# Altium PCB AMS_A2_Sample.PcbDoc (part 2 of 2)
Units mm, origin at the board's own origin, x right, y up, seen from the top; angles counter-clockwise.
Board outline 138.94 x 155.83 mm, 6 copper layers (Top Layer (GND), Int1 (Signal), Int2 (GND), Int3 (PWR), Int4 (GND), Bottom Layer (Signal)), stack 1.551 mm thick; 217 components, 151 nets, 764 pads, 566 vias.
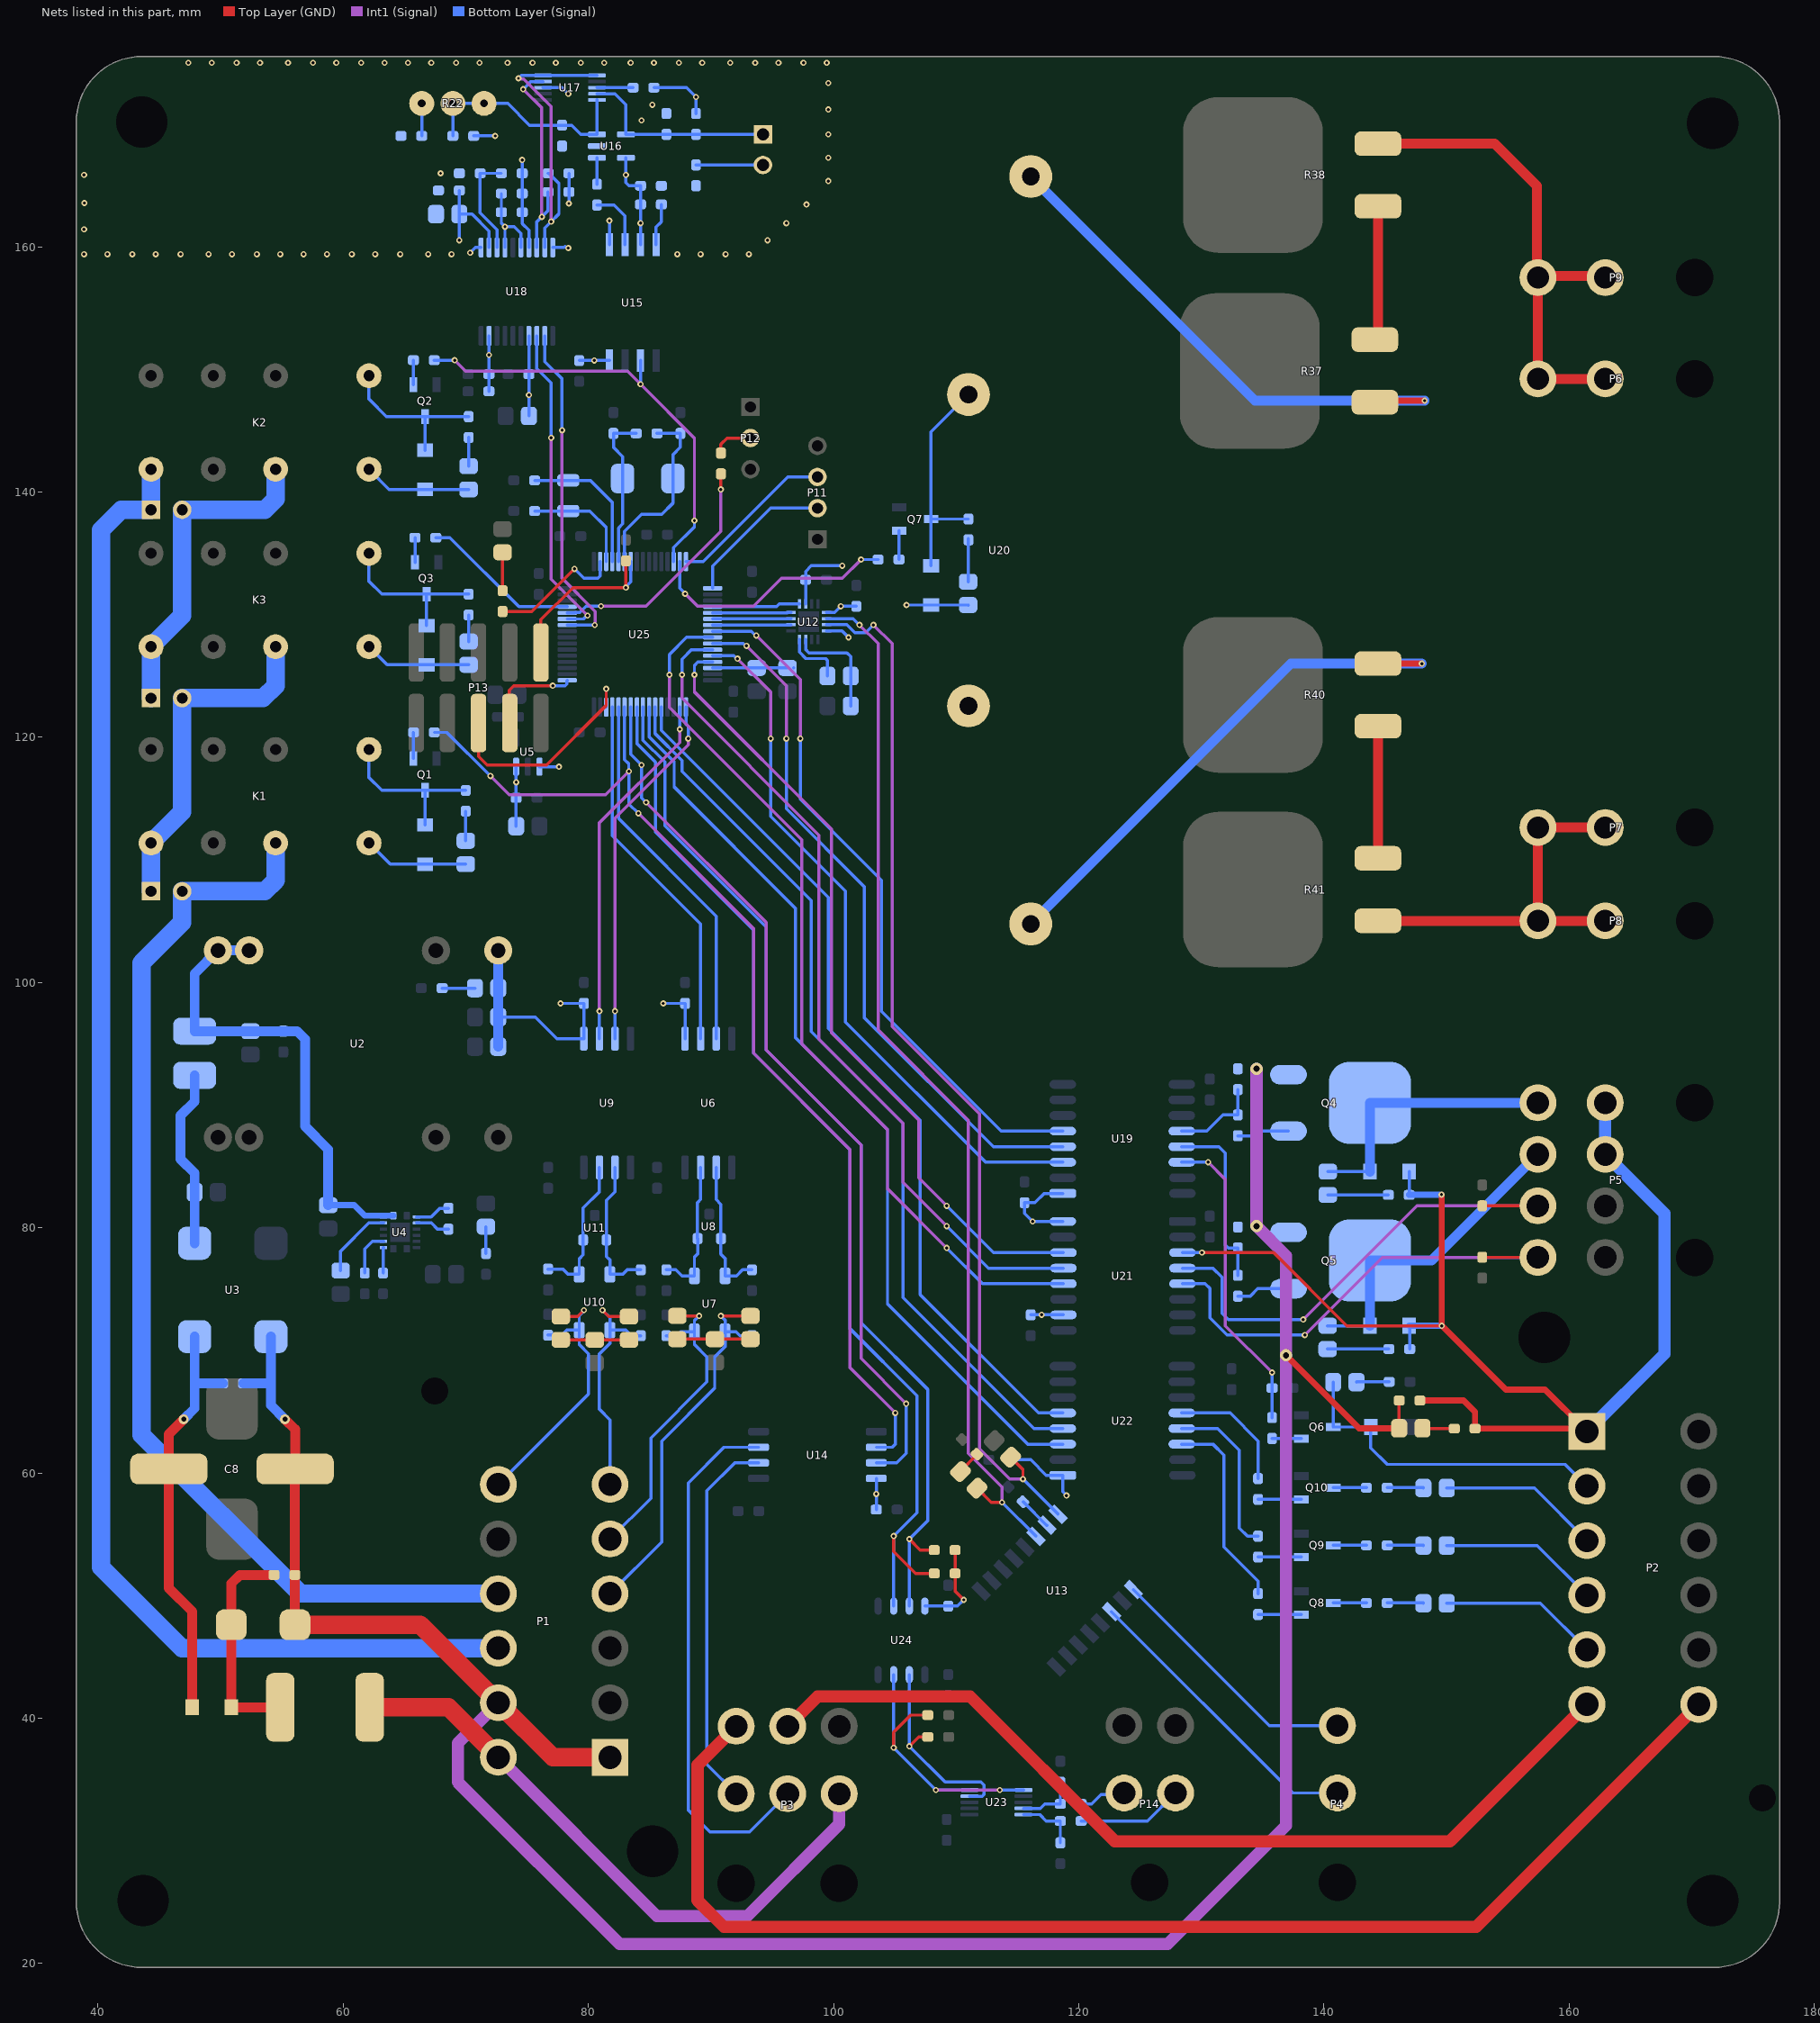
[diagram p6: the nets of this part, all layers, seen from the top]

## Via types
v1: diameter 0.5, hole 0.25, Top Layer (GND) to Bottom Layer (Signal), 552 vias
v2: diameter 0.254, hole 0.127, Top Layer (GND) to Bottom Layer (Signal), tented top, 9 vias
v3: diameter 1, hole 0.5, Top Layer (GND) to Bottom Layer (Signal), 3 vias
v4: diameter 0.8, hole 0.4, Top Layer (GND) to Bottom Layer (Signal), 2 vias

## Nets (pads, with @x,y where several pads share a name; then routed paths per layer and width w, separated by ;. In a path a pad name is that pad's centre, name@x,y a point inside that pad or via, vN(x,y) a via of type N, cw(c..) or ccw(c..) an arc to the next point about the centre after c; other vN are vias at no path point) (continued)
"5V (ISO)": C1.2 C2.2 C12.2 C13.2 C19.2 C26.2 C32.2 C33.2 C37.2 C38.2 C48.2 C49.2 C50.2 C51.2 C54.2 C69.2 C71.2 C73.2 D2.A D5.A D6.K D7.A D8.K D9.A D10.K D17.A D18.K K1.16 K2.16 K3.16 R55.2 R56.2 U2.14 U5.1 U5.3 U6.1 U9.1 U12.6 U12.9 U12.12 U14.8 U15.8 U18.4 U18.9 U19.1 U20.2 U21.10 U21.16 U22.1 U24.8 | length 114
  Top Layer (GND) w0.254: R55.2@109.904,53.721 R56.2@109.904,51.816 109.904,50.37 v1(110.617,49.657)
  Bottom Layer (Signal) w0.254: K1.16@62.103,111.379 63.83,109.652 D6.K@66.675,109.652 66.678,109.655 D5.A@69.995,109.655 ; K3.16@62.103,127.381 63.576,125.908 D10.K@66.802,125.908 D9.A@70.226,125.908 ; K2.16@62.103,141.859 63.754,140.208 D8.K@66.675,140.208 D7.A@70.226,140.208 ; C50.2@71.882,148.209 C51.2@71.882,149.606 71.888,149.612 v1(71.888,151.172) 71.888,152.732 U18.9@71.893,152.737 ; C2.2@72.644,97.181 75.666,97.181 77.427,95.42 U9.1@79.629,95.42 C26.2@79.629,98.298 v1(77.724,98.298) ; C12.2@74.107,112.75 C13.2@74.107,115.062 v1(74.107,116.332) U5.3@74.107,117.602 ; C49.2@75.143,146.203 v1(75.143,147.905) C48.2@75.143,149.606 U18.4@75.143,152.737 ; U5.1@76.007,117.602 v1(77.597,117.602) ; C38.2@79.248,150.723 v1(80.48,150.723) U15.8@81.712,150.723 ; v1(86.106,98.298) C19.2@87.884,98.298 U6.1@87.884,95.42 ; U12.6@97.72,130.875 C32.2@97.72,132.842 97.72,133.534 98.171,133.985 v1(100.711,133.985) ; U12.12@99.42,128.675 100.684,128.675 v1(101.217,128.141) ; U12.9@99.42,130.175 100.076,130.175 v1(100.584,130.683) C33.2@101.854,130.683 ; C37.2@103.479,57.023 v1(103.479,58.293) U14.8@103.479,59.563 ; v1(105.943,130.785) D18.K@107.95,130.785 D17.A@110.972,130.785 D17.A@110.998,130.759 ; U24.8@107.442,49.149 C54.2@109.347,49.149 110.109,49.149 v1(110.617,49.657) ; C73.2@114.349,61.087 116.078,61.087 117.348,59.817 U22.1@118.694,59.817 118.694,58.471 v1(118.999,58.166) ; C71.2@116.078,72.898 U21.10@118.746,72.898 ; U21.16@118.695,80.518 v1(116.237,80.518) 115.57,81.185 C69.2@115.57,82.042 116.423,82.042 117.185,82.804 U19.1@118.694,82.804
  Bottom Layer (Signal) w0.8: C1.2@72.644,94.768 C2.2@72.644,97.181 D2.A@72.644,99.542 U2.14@72.644,102.616
  other v1: 116.967,72.898
AIR+: D12.A D15.K P5.4 Q5.D | length 26.1
  Bottom Layer (Signal) w0.254: D15.K@140.293,72.009 D12.A@143.746,72.009
  Bottom Layer (Signal) w0.8: D12.A@143.746,72.009 Q5.D@143.746,77.329 148.782,77.329 P5.4@157.441,85.988
AIR+_Drive: R32.1 R35.1 U19.13 | length 14.6
  Bottom Layer (Signal) w0.254: U19.13@128.396,86.614 131.445,86.614 131.953,86.106 131.953,78.613 132.207,78.359 R35.1@132.969,78.359 R32.1@132.969,76.122
AIR+_FB: P5.6 R45.2 U21.4 | length 40.8
  Top Layer (GND) w0.254: R45.2@152.908,81.788 P5.6@157.441,81.788
  Int1 (Signal) w0.254: v1(138.303,72.517) 147.574,81.788 P5.6@157.441,81.788
  Bottom Layer (Signal) w0.254: U21.4@128.448,76.708 130.937,76.708 131.699,75.946 131.699,73.025 132.207,72.517 v1(138.303,72.517)
AIR-: D11.A D14.K P5.2 Q4.D | length 22.7
  Bottom Layer (Signal) w0.254: D14.K@140.309,84.582 D11.A@143.746,84.582 ; Q4.D@143.746,90.184 Q4.D@143.75,90.188
  Bottom Layer (Signal) w0.8: D11.A@143.746,84.582 Q4.D@143.746,90.184 ; Q4.D@143.75,90.188 P5.2@157.441,90.188
AIR-_Drive: R31.1 R34.1 U19.12 | length 7.2
  Bottom Layer (Signal) w0.254: U19.12@128.396,87.884 130.429,87.884 131.748,89.203 R31.1@132.969,89.203 R34.1@132.969,91.264
AIR-_FB: P5.8 R46.2 U21.5 | length 39.3
  Top Layer (GND) w0.254: R46.2@152.908,77.597 152.912,77.593 157.436,77.593 P5.8@157.441,77.588
  Int1 (Signal) w0.254: v1(138.43,71.247) 144.771,77.588 P5.8@157.441,77.588
  Bottom Layer (Signal) w0.254: U21.5@128.448,75.438 130.302,75.438 130.683,75.057 130.683,72.644 132.08,71.247 v1(138.43,71.247)
AIR_PWR: D11.K D12.K P2.1 P5.1 P5.3 R28.2 R29.2 R43.2 R44.2 U21.3 | length 105.4
  Top Layer (GND) w0.254: v1(130.048,77.978) 135.89,77.978 141.859,72.009 v1(149.606,72.009) ; P2.1@161.202,63.627 P2.1@161.441,63.388
  Top Layer (GND) w0.5: R44.2@147.828,65.913 151.384,65.913 152.322,64.975 R43.2@152.322,63.627 161.202,63.627 158.027,66.802 154.834,66.802 149.627,72.009 v1(149.606,72.009) 149.606,82.682 v1(149.585,82.703)
  Bottom Layer (Signal) w0.254: U21.3@128.448,77.978 v1(130.048,77.978) ; D12.K@146.946,72.009 146.988,71.967 R29.2@146.988,70.109 ; R28.2@146.946,82.682 146.946,82.703 D11.K@146.946,84.582
  Bottom Layer (Signal) w0.5: R28.2@146.925,82.703 146.946,82.703 v1(149.585,82.703) ; D12.K@146.946,72.009 v1(149.606,72.009)
  Bottom Layer (Signal) w1: P2.1@161.441,63.388 167.767,69.714 167.767,81.162 P5.3@162.941,85.988 P5.1@162.941,90.188
BOOT0: P12.2 R59.1 | length 3.4
  Top Layer (GND) w0.254: R59.1@90.805,143.129 90.805,143.891 91.313,144.399 P12.2@93.218,144.399
CAN1_H: C21.2 P1.5@81.764,54.62 R4.2 U7.1 | length 26.2
  Top Layer (GND) w0.254: R4.2@87.249,72.815 v1(89.027,72.815)
  Bottom Layer (Signal) w0.254: P1.5@81.764,54.62 85.09,57.946 85.09,62.865 89.662,67.437 89.662,69.469 88.646,70.485 U7.1@88.646,71.523 ; C21.2@86.36,71.198 87.2,71.198 87.525,71.523 U7.1@88.646,71.523 ; v1(89.027,72.815) 88.646,72.434 U7.1@88.646,71.523
CAN1_L: C22.2 P1.4 R5.1 U7.2 | length 31.4
  Top Layer (GND) w0.254: v1(90.805,72.815) R5.1@93.218,72.815
  Bottom Layer (Signal) w0.254: P1.4@81.764,50.17 85.979,54.385 85.979,62.611 90.297,66.929 90.297,69.469 91.146,70.318 U7.2@91.146,71.523 ; v1(90.805,72.815) 91.146,72.474 U7.2@91.146,71.523 ; C22.2@93.345,71.198 92.378,71.198 92.053,71.523 U7.2@91.146,71.523
CAN1_RX: U6.3 U25.44 | length 30.3
  Bottom Layer (Signal) w0.254: U25.44@82.451,122.467 82.451,113.383 90.424,105.41 U6.3@90.424,95.42
CAN1_TX: U6.2 U25.45 | length 30
  Bottom Layer (Signal) w0.254: U25.45@81.951,122.467 81.951,111.978 89.154,104.775 U6.2@89.154,95.42
CAN2_H: C28.2 P1.7 R6.2 U10.1 | length 22.5
  Top Layer (GND) w0.254: R6.2@77.75,72.766 79.116,72.766 v1(79.629,73.279)
  Bottom Layer (Signal) w0.254: P1.7@72.644,59.07 80.01,66.436 80.01,69.723 79.248,70.485 U10.1@79.248,71.65 ; C28.2@76.708,71.247 77.851,71.247 78.254,71.65 U10.1@79.248,71.65 ; v1(79.629,73.279) 79.629,73.212 79.248,72.831 U10.1@79.248,71.65
CAN2_L: C29.2 P1.6 R7.1 U10.2 | length 20.2
  Top Layer (GND) w0.254: v1(81.153,73.279) 81.666,72.766 R7.1@83.312,72.766
  Bottom Layer (Signal) w0.254: v1(81.153,73.279) 81.748,72.684 U10.2@81.748,71.65 ; P1.6@81.764,59.07 81.764,64.336 80.899,65.201 80.899,69.723 81.748,70.572 U10.2@81.748,71.65 ; C29.2@84.269,71.198 83.488,71.198 83.036,71.65 U10.2@81.748,71.65
CAN2_RX: U9.3 U25.33 | length 29.6
  Int1 (Signal) w0.254: v1(82.169,97.663) 82.169,113.408 88.138,119.377 v1(88.138,119.888)
  Bottom Layer (Signal) w0.254: U9.3@82.169,95.42 v1(82.169,97.663) ; U25.33@87.951,122.467 87.951,121.091 88.138,120.904 v1(88.138,119.888)
CAN2_TX: U9.2 U25.34 | length 29.8
  Int1 (Signal) w0.254: v1(80.899,97.663) 80.899,113.03 87.451,119.582 v1(87.451,120.65)
  Bottom Layer (Signal) w0.254: U9.2@80.899,95.42 v1(80.899,97.663) ; v1(87.451,120.65) U25.34@87.451,122.467
Charge_En: D22.A P2.3 | length 13.2
  Bottom Layer (Signal) w0.254: D22.A@150.012,58.775 157.154,58.775 P2.3@161.441,54.488
Charge_PWR: D20.A P2.5@161.441,45.588 | length 13
  Bottom Layer (Signal) w0.254: D20.A@150.012,49.377 157.652,49.377 P2.5@161.441,45.588
Charge_Ready: D21.A P2.4 | length 13.1
  Bottom Layer (Signal) w0.254: D21.A@150.012,54.086 157.393,54.086 P2.4@161.441,50.038
"CHASSIS REF": P2.7 P3.6 | length 105.6
  Top Layer (GND) w1: P3.6@92.057,39.343 88.9,36.186 88.9,25.146 91.059,22.987 152.41,22.987 P2.7@170.561,41.138
dIP_AIR+_FB: U21.13 U25.27 | length 68.9
  Int1 (Signal) w0.254: v1(87.63,125.095) 87.63,123.19 98.806,112.014 98.806,95.377 105.664,88.519 105.664,83.693 v1(109.22,80.137)
  Bottom Layer (Signal) w0.254: v1(87.63,125.095) 87.63,126.365 88.412,127.147 U25.27@90.131,127.147 ; v1(109.22,80.137) 112.649,76.708 U21.13@118.746,76.708
dIP_AIR-_FB: U21.12 U25.25 | length 72.6
  Int1 (Signal) w0.254: v1(86.614,125.095) 86.614,122.428 97.409,111.633 97.409,94.996 104.394,88.011 104.394,83.185 v1(109.22,78.359)
  Bottom Layer (Signal) w0.254: v1(86.614,125.095) 86.614,126.746 88.015,128.147 U25.25@90.131,128.147 ; v1(109.22,78.359) 112.141,75.438 U21.12@118.746,75.438
dIP_AIR_PWR: U21.14 U25.29 | length 65.3
  Int1 (Signal) w0.254: v1(88.646,125.095) 88.646,123.698 99.822,112.522 99.822,95.885 106.934,88.773 106.934,84.074 v1(109.22,81.788)
  Bottom Layer (Signal) w0.254: v1(88.646,125.095) 88.646,125.857 88.936,126.147 U25.29@90.131,126.147 ; v1(109.22,81.788) 113.03,77.978 U21.14@118.746,77.978
dIP_IMD_DATA: U14.7 U25.42 | length 72.9
  Int1 (Signal) w0.254: v1(84.709,114.681) 94.488,104.902 94.488,94.488 102.235,86.741 102.235,69.342 v1(105.918,65.659)
  Bottom Layer (Signal) w0.254: U25.42@83.451,122.467 83.451,118.606 v1(84.328,117.729) 84.328,115.062 v1(84.709,114.681) ; U14.7@103.479,60.833 105.156,60.833 105.918,61.595 v1(105.918,65.659)
dIP_IMD_OK: R13.1 U14.6 U25.43 | length 89.7
  Int1 (Signal) w0.254: v1(72.009,116.84) 73.533,115.316 81.407,115.316 v1(83.312,117.221) ; v1(84.074,113.792) 93.472,104.394 93.472,94.234 101.346,86.36 101.346,68.58 v1(105.029,64.897)
  Bottom Layer (Signal) w0.254: R13.1@67.437,120.396 68.453,120.396 v1(72.009,116.84) ; U25.43@82.951,122.467 82.951,118.187 83.286,117.852 83.286,117.247 v1(83.312,117.221) 83.312,114.554 v1(84.074,113.792) ; U14.6@103.479,62.103 104.775,62.103 105.029,62.357 v1(105.029,64.897)
dIP_PDOC_OK: R15.1 U15.6 U25.14 | length 36.6
  Int1 (Signal) w0.254: v1(69.088,150.749) 69.977,149.86 83.185,149.86 v1(84.252,148.793) 88.646,144.399 v1(88.646,137.668)
  Bottom Layer (Signal) w0.254: R15.1@67.425,150.749 v1(69.088,150.749) ; v1(84.252,148.793) U15.6@84.252,150.723 ; U25.14@86.951,134.327 86.951,135.465 88.646,137.16 v1(88.646,137.668)
dIP_SPI_MISO: U12.3 U25.22 | length 6.4
  Bottom Layer (Signal) w0.254: U25.22@90.131,129.647 90.157,129.673 96.518,129.673 U12.3@96.52,129.675
"DISCHARGE DISABLE": D13.A D16.K P2.2 Q6.D | length 27.3
  Bottom Layer (Signal) w0.254: Q6.D@140.746,63.754 D16.K@140.746,67.411 ; Q6.D@140.746,63.754 D13.A@143.815,63.754 143.815,62.052 145.161,60.706 159.673,60.706 P2.2@161.441,58.938
Discharge_Dis_Drive: R33.1 R36.1 U19.14 | length 25.1
  Int1 (Signal) w0.254: v1(130.556,85.344) 131.953,83.947 131.953,72.009 v1(135.763,68.199)
  Bottom Layer (Signal) w0.254: U19.14@128.396,85.344 v1(130.556,85.344) ; R33.1@135.763,64.516 R36.1@135.763,66.929 v1(135.763,68.199)
"dOP_AIR+ (ISO)": U19.4 U25.26 | length 57.7
  Int1 (Signal) w0.254: v1(92.895,127.45) 96.139,124.206 v1(96.139,119.888)
  Bottom Layer (Signal) w0.254: U25.26@90.131,127.647 92.631,127.647 92.829,127.45 v1(92.895,127.45) ; v1(96.139,119.888) 96.139,114.173 102.489,107.823 102.489,97.155 113.03,86.614 U19.4@118.694,86.614
"dOP_AIR- (ISO)": U19.5 U25.24 | length 57.4
  Int1 (Signal) w0.254: v1(93.698,128.298) 97.282,124.714 v1(97.282,119.888)
  Bottom Layer (Signal) w0.254: U25.24@90.131,128.647 93.282,128.647 93.632,128.298 v1(93.698,128.298) ; v1(97.282,119.888) 97.282,114.935 103.886,108.331 103.886,97.663 113.665,87.884 U19.5@118.694,87.884
dOP_AMS_OK: R17.1 U25.61 | length 13
  Bottom Layer (Signal) w0.254: R17.1@67.552,136.271 68.707,136.271 74.331,130.647 U25.61@78.271,130.647
dOP_CHARGE_EN: U22.5 U25.37 | length 72.3
  Bottom Layer (Signal) w0.254: U25.37@85.951,122.467 85.951,120.551 99.568,106.934 99.568,96.266 107.061,88.773 107.061,74.549 116.713,64.897 U22.5@118.694,64.897
dOP_CHARGE_PWR: U22.3 U25.39 | length 75.8
  Bottom Layer (Signal) w0.254: U25.39@84.951,122.467 84.951,120.027 86.995,117.983 86.995,115.951 96.901,106.045 96.901,95.504 104.394,88.011 104.394,73.787 115.824,62.357 U22.3@118.694,62.357
dOP_CHARGE_RDY: U22.4 U25.38 | length 74
  Bottom Layer (Signal) w0.254: U25.38@85.451,122.467 85.451,120.289 87.63,118.11 87.63,117.221 98.171,106.68 98.171,96.012 105.664,88.519 105.664,74.295 116.332,63.627 U22.4@118.694,63.627
dOP_DISCHARGE_DIS: U19.3 U25.28 | length 57.9
  Int1 (Signal) w0.254: v1(92.162,126.405) 94.869,123.698 v1(94.869,119.888)
  Bottom Layer (Signal) w0.254: U25.28@90.131,126.647 91.853,126.647 92.096,126.405 v1(92.162,126.405) ; v1(94.869,119.888) 94.869,113.538 100.965,107.442 100.965,96.774 112.395,85.344 U19.3@118.694,85.344
dOP_PRECHARGE_RLY: R42.1 U25.15 | length 20.6
  Int1 (Signal) w0.254: v1(87.884,131.699) 88.9,130.683 93.472,130.683 95.758,132.969 100.711,132.969 v1(102.235,134.493)
  Bottom Layer (Signal) w0.254: U25.15@87.451,134.327 87.451,132.158 87.884,131.725 v1(87.884,131.699) ; v1(102.235,134.493) R42.1@103.632,134.493
dOP_SPI_MOSI: U12.2 U25.23 | length 6.4
  Bottom Layer (Signal) w0.254: U25.23@90.131,129.147 U12.2@96.52,129.147
dOP_SPI_nSS: U12.5 U25.20 | length 7.2
  Bottom Layer (Signal) w0.254: U25.20@90.131,130.647 95.341,130.647 95.569,130.875 U12.5@97.22,130.875
dOP_SPI_SCK: U12.4 U25.21 | length 6.4
  Bottom Layer (Signal) w0.254: U25.21@90.131,130.147 96.221,130.147 96.249,130.175 U12.4@96.52,130.175
EN: R52.1 U22.12 | length 10.2
  Bottom Layer (Signal) w0.254: U22.12@128.396,64.897 132.334,64.897 134.62,62.611 R52.1@134.62,59.551
GL_IN: "Header 1.2" K1.13 P1.9 | length 91.2
  Bottom Layer (Signal) w1.5: K1.13@54.483,111.379 54.483,108.321 53.604,107.442 46.863,107.442 46.863,104.902 43.561,101.6 43.561,63.119 56.51,50.17 P1.9@72.644,50.17
GL_IN_2: "Header 1.1" "Header 1x2.2" K1.9 K3.13 | length 28
  Bottom Layer (Signal) w1.5: 44.323,107.442 K1.9@44.323,111.379 46.863,113.919 46.863,123.19 53.467,123.19 54.483,124.206 K3.13@54.483,127.381
GL_OUT: "Header 2.1" K2.9 P1.10 | length 128
  Int1 (Signal) w0.254: K2.9@44.069,141.859 K2.9@44.323,141.859
  Bottom Layer (Signal) w1.5: K2.9@44.323,141.859 44.323,138.557 41.91,138.557 40.259,136.906 40.259,52.324 46.863,45.72 P1.10@72.644,45.72
GL_OUT_2: "Header 1x2.1" "Header 2.2" K2.13 K3.9 | length 26.8
  Bottom Layer (Signal) w1.5: 44.323,123.19 K3.9@44.323,127.381 46.863,129.921 46.863,138.557 53.604,138.557 54.483,139.436 K2.13@54.483,141.859
GLV+: F1.1 P1.12 P3.1 | length 50.9
  Top Layer (GND) w1.5: F1.1@62.164,40.894 68.57,40.894 P1.12@72.644,36.82
  Int1 (Signal) w1: P1.12@72.644,36.82 85.588,23.876 92.964,23.876 100.457,31.369 P3.1@100.457,33.843
GLV-: C6.1 C7.1 C8.1 D3.A D19.K P1.1 P1.11 Q4.S Q5.S R34.2 R35.2 R44.1 U3.4 | length 218.3
  Top Layer (GND) w0.254: D3.A@56.056,47.636 D3.A@56.067,47.625 ; C8.1@56.056,60.304 C8.1@56.077,60.325 ; D19.K@146.128,63.653 R44.1@146.128,65.913
  Top Layer (GND) w0.5: v3(136.906,69.596) 142.849,63.653 D19.K@146.128,63.653
  Top Layer (GND) w0.8: v4(55.245,64.389) 56.077,63.557 C8.1@56.077,60.325 ; D3.A@56.056,47.636 C6.1@56.056,51.689 C8.1@56.056,60.304
  Top Layer (GND) w1.5: D3.A@56.067,47.625 66.289,47.625 P1.11@72.644,41.27 77.094,36.82 P1.1@81.764,36.82
  Int1 (Signal) w1: P1.11@72.644,41.27 69.342,37.968 69.342,34.798 82.55,21.59 127.254,21.59 136.906,31.242 v3(136.906,69.596) 136.906,77.724 v3(134.493,80.137) v3(134.493,92.964)
  Bottom Layer (Signal) w0.8: C7.1@51.865,67.31 54.099,67.31 ; U3.4@54.099,71.12 54.099,67.31 ; v4(55.245,64.389) 54.099,65.535 54.099,67.31
"GLV- REF": P2.6 P3.4 | length 75.7
  Top Layer (GND) w1: P3.4@96.257,39.343 98.697,41.783 111.125,41.783 122.936,29.972 150.275,29.972 P2.6@161.441,41.138
GND_PDOC: C39.1 C40.1 C41.1 C42.1 C43.1 C44.2 C45.2 C46.1 C47.1 R20.1 R23.1 R27.1 U15.4 U16.2 U17.3 U18.11 U18.14 U18.16 U18.20 | length 15.7
  Bottom Layer (Signal) w0.254: v1(70.358,159.512) 70.783,159.937 U18.11@71.243,159.937 ; C47.1@72.898,164.338 C46.1@72.898,162.814 72.898,161.925 v1(73.193,161.63) ; U18.14@73.193,159.937 v1(73.193,161.63) ; U18.16@74.493,159.937 74.493,161.092 73.955,161.63 v1(73.193,161.63) ; U18.20@77.093,159.937 78.022,159.937 78.105,160.02 ; U17.3@80.696,172.974 C43.1@83.644,172.974 ; U15.4@85.522,160.173 85.522,161.595 85.952,162.025 C40.1@85.952,163.449
  other v1: 38.862,159.385 40.767,159.385 42.799,159.385 44.704,159.385 46.736,159.385 49.022,159.385 50.927,159.385 52.959,159.385 54.864,159.385 56.769,159.385 58.674,159.385 60.706,159.385 62.611,159.385 64.643,159.385 66.929,159.385 68.834,159.385 87.249,159.385 89.154,159.385 91.186,159.385 93.091,159.385 78.359,159.893 94.615,160.528 38.862,161.417 96.139,161.925 97.79,163.449 38.885,163.562 99.568,165.354 38.862,165.862 67.945,165.989 99.568,167.259 99.568,169.164 84.328,170.307 99.568,171.196 85.217,171.577 99.568,173.355 47.371,175.006 49.276,175.006 51.308,175.006 53.213,175.006 55.499,175.006 57.531,175.006 59.436,175.006 61.468,175.006 63.373,175.006 65.278,175.006 67.183,175.006 69.215,175.006 71.12,175.006 73.406,175.006 75.438,175.006 77.343,175.006 79.375,175.006 81.28,175.006 83.439,175.006 85.344,175.006 87.376,175.006 89.281,175.006 91.567,175.006 93.599,175.006 95.504,175.006 97.536,175.006 99.441,175.006
H_REF: P14.3 R53.1 | length 3.9
  Bottom Layer (Signal) w0.254: R53.1@120.191,33.02 121.048,33.02 121.808,33.78 123.56,33.78 P14.3@123.689,33.909
HIGH_REF: C52.2 R53.2 U23.4 | length 4.9
  Bottom Layer (Signal) w0.254: U23.4@115.484,32.647 116.848,32.647 117.221,33.02 R53.2@118.491,33.02 C52.2@118.491,34.798
"HV Battery+": P7.1 P7.2 P8.1 P8.2 R41.1 | length 31.7
  Top Layer (GND) w0.8: R41.1@144.399,105.029 P8.2@157.441,105.029 ; P8.1@162.941,105.029 P8.2@157.441,105.029 ; P7.1@162.941,112.649 P7.2@157.441,112.649 P8.2@157.441,105.029
"HV MC+": P6.1 P6.2 P9.1 P9.2 R38.2 | length 41
  Top Layer (GND) w0.8: R38.2@144.399,168.402 153.924,168.402 157.353,164.973 P9.2@157.353,157.607 ; P9.2@157.402,157.607 P9.1@162.902,157.607 ; P6.2@157.441,149.213 P9.2@157.441,157.48 ; P6.2@157.441,149.225 P6.1@162.941,149.225
I2C1_SCL: U18.2 U25.58 | length 27.6
  Int1 (Signal) w0.254: v1(77.851,145.034) 77.851,132.972 80.565,130.258 80.565,129.206 v1@80.518,129.159
  Bottom Layer (Signal) w0.254: U18.2@76.443,152.737 76.443,150.633 77.851,149.225 v1(77.851,145.034) ; U25.58@78.271,129.147 v1(80.518,129.147)
I2C1_SDA: U18.3 U25.59 | length 26.3
  Int1 (Signal) w0.254: v1(76.962,144.427) 76.962,132.893 v1(79.934,129.921)
  Bottom Layer (Signal) w0.254: U18.3@75.793,152.737 75.793,150.084 76.962,148.915 v1(76.962,144.427) ; U25.59@78.271,129.647 79.594,129.647 79.868,129.921 v1(79.934,129.921)